# Altium PCB PCB1.PcbDoc (continued)
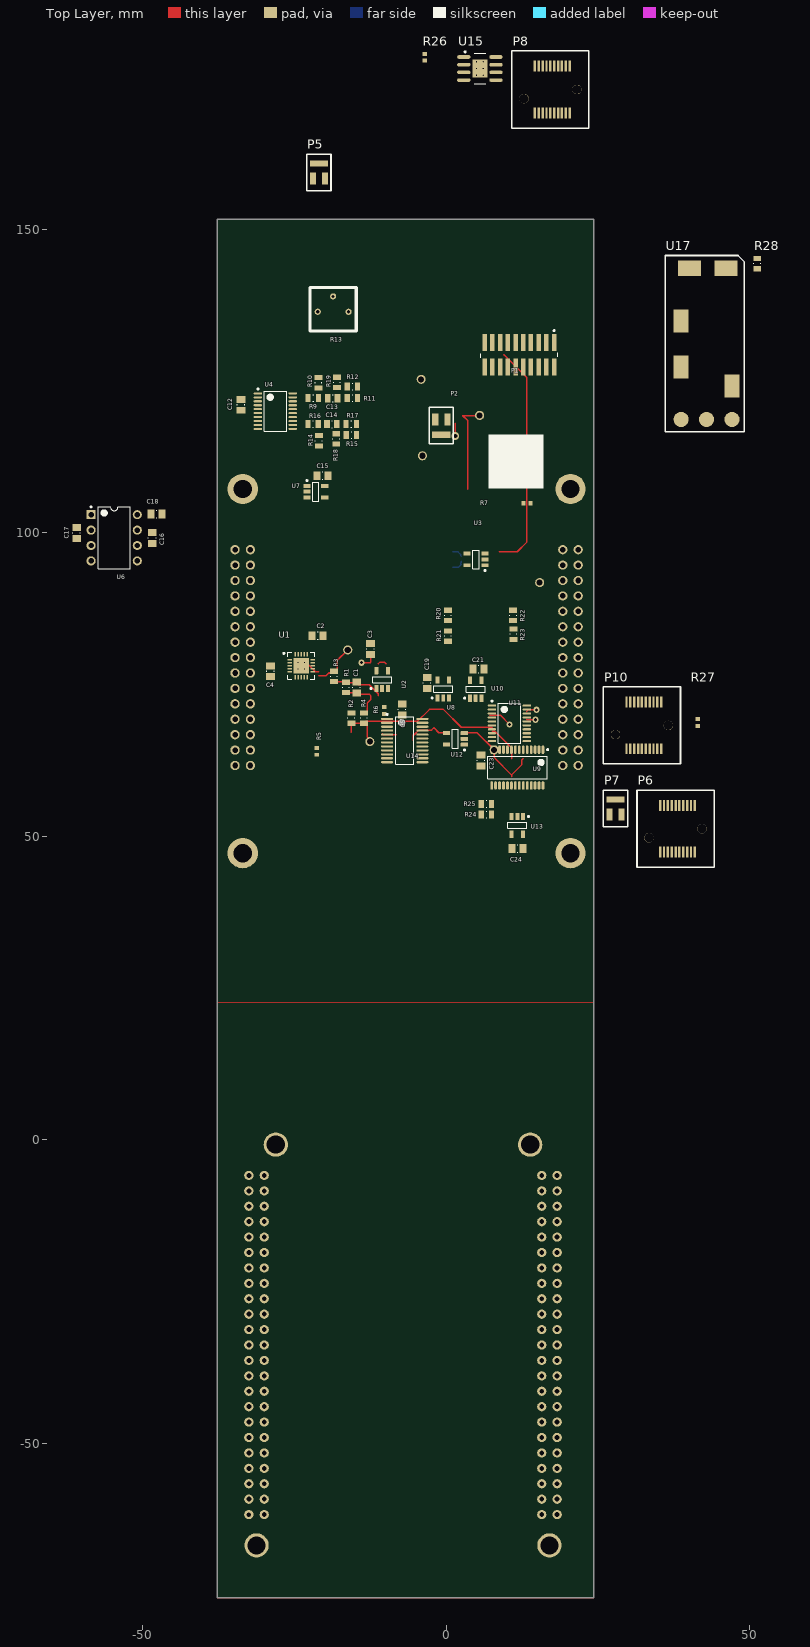
[diagram p0: Top Layer view]
## Footprints (in the part's own frame and the unit in brackets; to place one, negate y for a bottom-side part, rotate by r counter-clockwise, add the part's x,y. Pads: shape width x height; smd on the part's side, far side on the other; paste and mask are expansions set on the pad)
ADI-CP-20-10_L [mm] "QFN, 20-Leads, Body 4x4mm, Pitch 0.5mm, Thermal Pad 2.6x2.6mm, IPC High Density"
  oval 0.8x0.25 smd: 1(-1.9,1) 2(-1.9,0.5) 3(-1.9,0) 4(-1.9,-0.5) 5(-1.9,-1) 11(1.9,-1) 12(1.9,-0.5) 13(1.9,0) 14(1.9,0.5) 15(1.9,1)
  oval 0.25x0.8 smd: 6(-1,-1.9) 7(-0.5,-1.9) 8(0,-1.9) 9(0.5,-1.9) 10(1,-1.9) 16(1,1.9) 17(0.5,1.9) 18(0,1.9) 19(-0.5,1.9) 20(-1,1.9)
  rect 2.6x2.6 smd: 21(0,0)
  silkscreen extent -2.97,-2.2 2.2,2.2, body extent -2.05,-2.05 2.05,2.05, height 0.8
ADI-N-8 [mm] "DIP, 8-Leads, Body 9.59x6.6mm, Pitch 2.54mm"
  rect 1.5x1.5 hole 0.9: 1(-3.81,3.81)
  round 1.5 hole 0.9: 2(-3.81,1.27) 3(-3.81,-1.27) 4(-3.81,-3.81) 5(3.81,-3.81) 6(3.81,-1.27) 7(3.81,1.27) 8(3.81,3.81)
  silkscreen extent -3.93,-5.1 2.65,5.23, body extent -3.95,-5.07 3.95,5.07, height 5.33
ADS1262 [mm] "28 TSSOP"
  oval 1.4x0.45 smd: 1(-2.95,4.225) 2(-2.95,3.575) 3(-2.95,2.925) 4(-2.95,2.275) 5(-2.95,1.625) 6(-2.95,0.975) 7(-2.95,0.325) 8(-2.95,-0.325) 9(-2.95,-0.975) 10(-2.95,-1.625) 11(-2.95,-2.275) 12(-2.95,-2.925) 13(-2.95,-3.575) 14(-2.95,-4.225) 15(2.95,-4.225) 16(2.95,-3.575) 17(2.95,-2.925) 18(2.95,-2.275) 19(2.95,-1.625) 20(2.95,-0.975) 21(2.95,-0.325) 22(2.95,0.325) 23(2.95,0.975) 24(2.95,1.625) 25(2.95,2.275) 26(2.95,2.925) 27(2.95,3.575) 28(2.95,4.225)
  silkscreen extent -3.07,-4.9 1.85,5.13, body extent -3.2,-4.9 3.2,4.9, height 1.2
"Beaglebone Black Thru" [mil]
  round 60 hole 31.5: 8-1(-900,1100) 8-3(-900,1000) 8-4(-1000,1000) 8-5(-900,900) 8-6(-1000,900) 8-7(-900,800) 8-8(-1000,800) 8-9(-900,700) 8-10(-1000,700) 8-11(-900,600) 8-12(-1000,600) 8-13(-900,500) 8-14(-1000,500) 8-15(-900,400) 8-16(-1000,400) 8-17(-900,300) 8-18(-1000,300) 8-19(-900,200) 8-20(-1000,200) 8-21(-900,100) 8-22(-1000,100) 8-23(-900,0) 8-24(-1000,0) 8-25(-900,-100) 8-26(-1000,-100) 8-27(-900,-200) 8-28(-1000,-200) 8-29(-900,-300) 8-30(-1000,-300) 8-31(-900,-400) 8-32(-1000,-400) 8-33(-900,-500) 8-34(-1000,-500) 8-35(-900,-600) 8-36(-1000,-600) 8-37(-900,-700) 8-38(-1000,-700) 8-39(-900,-800) 8-40(-1000,-800) 8-41(-900,-900) 8-42(-1000,-900) 8-43(-900,-1000) 8-44(-1000,-1000) 8-45(-900,-1100) 8-46(-1000,-1100) 9-1(1000,1100) 9-2(900,1100) 9-3(1000,1000) 9-4(900,1000) 9-5(1000,900) 9-6(900,900) 9-7(1000,800) 9-8(900,800) 9-9(1000,700) 9-10(900,700) 9-11(1000,600) 9-12(900,600) 9-13(1000,500) 9-14(900,500) 9-15(1000,400) 9-16(900,400) 9-17(1000,300) 9-18(900,300) 9-19(1000,200) 9-20(900,200) 9-21(1000,100) 9-22(900,100) 9-23(1000,0) 9-24(900,0) 9-25(1000,-100) 9-26(900,-100) 9-27(1000,-200) 9-28(900,-200) 9-29(1000,-300) 9-30(900,-300) 9-31(1000,-400) 9-32(900,-400) 9-33(1000,-500) 9-34(900,-500) 9-35(1000,-600) 9-36(900,-600) 9-37(1000,-700) 9-38(900,-700) 9-39(1000,-800) 9-40(900,-800) 9-41(1000,-900) 9-42(900,-900) 9-43(1000,-1000) 9-44(900,-1000) 9-45(1000,-1100) 9-46(900,-1100)
  round 60 hole 30 paste+0: 8-2(-1000,1100)
  round 157.48 hole 118.11 paste+0: ""(-950,1300)
  round 157.48 hole 118.11: ""(-825,-1300) ""(825,-1300) ""(950,1300)
  body extent -1047,-1163 1048,1160, height 315
CAPC0805(2012)145_N [mm] "Chip Capacitor, Body 2.0x1.2mm, Height 1.45mm, IPC Medium Density"
  rect 1.15x1.45 smd: 1(-0.9,0) 2(0.9,0)
  silkscreen extent -0.05,-0.62 0.05,0.63, body extent -1.1,-0.72 1.1,0.73, height 1.45
CAPC0805(2012)155_L [mm] "Chip Capacitor, Body 2.0x1.2mm, Height 1.55mm, IPC High Density"
  rect 0.95x1.35 smd: 1(-0.8,0) 2(0.8,0)
  silkscreen extent -0.05,-0.58 0.05,0.57, body extent -1.1,-0.72 1.1,0.72, height 1.55
CAPC1210(3225)170_L [mm] "Chip Capacitor, Body 3.2x2.5mm, Height 1.7mm, IPC High Density"
  rect 0.95x2.6 smd: 1(-1.4,0) 2(1.4,0)
  silkscreen extent -0.55,-1.2 0.55,1.2, body extent -1.7,-1.35 1.7,1.35, height 1.7
DBV0005A_M [mm] "SOT23, 5-Leads, Body 3.05x1.75mm, Pitch 0.95mm, IPC Low Density"
  rrect15% 1.2x0.65 smd: 1(-1.475,0.95) 2(-1.475,0) 3(-1.475,-0.95) 4(1.475,-0.95) 5(1.475,0.95)
  silkscreen extent -1.6,-1.55 0.5,1.95, body extent -1.42,-1.46 1.42,1.46, height 1.08
IND065BHV [mm] "DC DC CONVERTER 32-54V 65W"
  rect 3.78x2.51 all layers, no hole: 1(8.65,8.38) 2(16.24,8.38) 7(5.47,0)
  rect 2.51x3.78 all layers, no hole: 3(24.89,7) 4(24.89,1)
  round 2.51 all layers, no hole: 8(0,0) 9(0,4.19) 10(0,8.38)
  silkscreen extent -2,-2 27,11
KSTN-5003 [mm] "Test Point, Through Hole, Dia 2.54mm"
  round 1.5 hole 1: 1(0,0)
  silkscreen extent -1.27,-1.27 1.27,1.27, body extent -1.27,-1.27 1.27,1.27, height 4.57
MEC6-110-02-L-DV [mm] "Edge Connector Socket"
  rect 0.399x1.781 smd: A1(-2.54,3.85) A2(-1.905,3.85) A3(-1.27,3.85) A4(-0.635,3.85) A5(0,3.85) A6(0.635,3.85) A7(1.27,3.85) A8(1.905,3.85) A9(2.54,3.85) A10(3.175,3.85) B1(-2.54,-3.85) B2(-1.905,-3.85) B3(-1.27,-3.85) B4(-0.635,-3.85) B5(0,-3.85) B6(0.635,-3.85) B7(1.27,-3.85) B8(1.905,-3.85) B9(2.54,-3.85) B10(3.175,-3.85)
  round 1.55 hole 1.55: ""(-4.356,-1.5) ""(4.356,0)
  silkscreen extent -6.35,-6.35 6.35,6.35, body extent -5.2,-4.39 5.92,4.41, height 8.5
RESC0402(1005)_M [mm] "Chip Resistor, Body 1.0x0.5mm, IPC Low Density"
  rect 0.65x0.75 smd: 1(-0.55,0) 2(0.55,0)
  body extent -0.52,-0.28 0.53,0.28, height 0.4
RESC0805(2012)_L [mm] "Chip Resistor, Body 2.0x1.3mm, IPC High Density"
  rect 0.85x1.3 smd: 1(-0.85,0) 2(0.85,0)
  silkscreen extent -0.05,-0.55 0.05,0.55, body extent -1.1,-0.67 1.1,0.68, height 0.7
SMTC-FTSH-110-01-L-DV_V [mm] "CONN, 20-Leads, Body 12.7x3.43mm, Pitch 1.27mm"
  rect 0.74x2.79 smd: 1(-5.715,-2.035) 2(-5.715,2.035) 3(-4.445,-2.035) 4(-4.445,2.035) 5(-3.175,-2.035) 6(-3.175,2.035) 7(-1.905,-2.035) 8(-1.905,2.035) 9(-0.635,-2.035) 10(-0.635,2.035) 11(0.635,-2.035) 12(0.635,2.035) 13(1.905,-2.035) 14(1.905,2.035) 15(3.175,-2.035) 16(3.175,2.035) 17(4.445,-2.035) 18(4.445,2.035) 19(5.715,-2.035) 20(5.715,2.035)
  silkscreen extent -6.35,-4.1 6.35,0.47, body extent -6.35,-2.92 6.35,2.92, height 5.97
TI-DDA8-2745X2245TP_N [mm] "SOP, 8-Leads, Body 4.9x3.9mm, Pitch 1.27mm, Thermal Pad 2.745x2.245mm, IPC Medium Density"
  oval 2.2x0.6 smd: 1(-2.645,1.905) 2(-2.645,0.635) 3(-2.645,-0.635) 4(-2.645,-1.905) 5(2.645,-1.905) 6(2.645,-0.635) 7(2.645,0.635) 8(2.645,1.905)
  rect 2.49x3 smd: 9(0,0)
  silkscreen extent -2.55,-2.5 0.93,2.88, body extent -2,-2.5 2,2.5, height 1.7
TI-PW24_M [mm] "SOP, 24-Leads, Body 7.8x4.4mm, Pitch 0.65mm, IPC Low Density"
  oval 2x0.35 smd: 1(-2.9,3.575) 2(-2.9,2.925) 3(-2.9,2.275) 4(-2.9,1.625) 5(-2.9,0.975) 6(-2.9,0.325) 7(-2.9,-0.325) 8(-2.9,-0.975) 9(-2.9,-1.625) 10(-2.9,-2.275) 11(-2.9,-2.925) 12(-2.9,-3.575) 13(2.9,-3.575) 14(2.9,-2.925) 15(2.9,-2.275) 16(2.9,-1.625) 17(2.9,-0.975) 18(2.9,-0.325) 19(2.9,0.325) 20(2.9,0.975) 21(2.9,1.625) 22(2.9,2.275) 23(2.9,2.925) 24(2.9,3.575)
  silkscreen extent -3.02,-3.95 1.5,4.42, body extent -2.25,-3.95 2.25,3.95, height 1.2
Triax_Conn [mm] "Triaxial pads for Conning Tower"
  rect 1x2 smd: 1(0,0) 2(2,0)
  rect 3x1 smd: 3(1,2.5)
  silkscreen extent -1,-2 3,4
"TRIMMER 2.54" [mil]
  round 40 hole 20: 1(0,0) 2(100,100) 3(200,0)
  silkscreen extent -50,-125 250,158, body extent -60,-126 260,200, height 175
TSOP65P640X90-20N [mm] "TSOP, 20-Leads, Body 6.50x4.40mm, Pitch 0.65mm, IPC Medium Density"
  oval 1.4x0.35 smd: 1(-2.875,2.925) 2(-2.875,2.275) 3(-2.875,1.625) 4(-2.875,0.975) 5(-2.875,0.325) 6(-2.875,-0.325) 7(-2.875,-0.975) 8(-2.875,-1.625) 9(-2.875,-2.275) 10(-2.875,-2.925) 11(2.875,-2.925) 12(2.875,-2.275) 13(2.875,-1.625) 14(2.875,-0.975) 15(2.875,-0.325) 16(2.875,0.325) 17(2.875,0.975) 18(2.875,1.625) 19(2.875,2.275) 20(2.875,2.925)
  silkscreen extent -3,-3.3 1.85,3.77, body extent -2.25,-3.3 2.25,3.3, height 0.9
TSW-115-14-G-D [mil]
  round 60 hole 36.02: 1(-1400,100) 2(-1400,0) 3(-1300,100) 4(-1300,0) 5(-1200,100) 6(-1200,0) 7(-1100,100) 8(-1100,0) 9(-1000,100) 10(-1000,0) 11(-900,100) 12(-900,0) 13(-800,100) 14(-800,0) 15(-700,100) 16(-700,0) 17(-600,100) 18(-600,0) 19(-500,100) 20(-500,0) 21(-400,100) 22(-400,0) 23(-300,100) 24(-300,0) 25(-200,100) 26(-200,0) 27(-100,100) 28(-100,0) 29(0,100) 30(0,0)
  body extent -1450,-50 50,150, height 118

## Part data
C1 C2 C3 C4 C5 C11 C12 C15 C16 C17 C19 C21 C22 C23 C24: library part CMP-1036-04795-1, Capacitance=0.1µF, Manufacturer="Murata Electronics North America", Manufacturer Part Number=GRM21BR71E104KA01L, Operating Temperature="-55°C ~ 125°C", Package / Case="0805 (2012 Metric)", Ratings=-, Supplier Part Number 1=490-1673-6-ND, Temperature Coefficient=X7R, Tolerance=±10%, Voltage - Rated=25V, Applications="General Purpose", Category=Capacitors, ComponentLink1Description=http://www.murata.com/~/media/webrenewal/support/library/catalog/products/capacitor/mlcc/c02e.ashx, ComponentLink1URL=http://www.murata.com/~/media/webrenewal/support/library/catalog/products/capacitor/mlcc/c02e.ashx, Features=-, Height - Seated (Max)=-, Lead Spacing=-, Lead Style=-, Mounting Type="Surface Mount, MLCC", Packaging=Digi-Reel®, Part Status=Active, Pricing 1="1=0.2, 10=0.145, 100=0.0683, 500=0.04788, 1000=0.03964 (USD)", RoHS="RoHS Compliant", Size / Dimension="0.079\" L x 0.049\" W (2.00mm x 1.25mm)", Stock 1=891652, Supplier 1=Digi-Key, Thickness (Max)="0.053\" (1.35mm)"
C8 C10: library part CMP-1036-04795-1, "CAP CER 0.1UF 25V X7R 0805"
C9: library part CMP-1038-00473-1, "CAP 4.7uF 100V ±2% 1210 (3225 Metric) Thickness 1.7mm SMD", Case-EIA=1210, Case-Metric=3225, Rated Voltage="100 V", Tolerance=±2%, Max Thickness="1.7 mm", Technology=SMT
C13 C14: library part CMP-1036-04882-1, Capacitance=220pF, Manufacturer="Murata Electronics North America", Manufacturer Part Number=GRM21BR71E105KA99L, Operating Temperature="-55°C ~ 125°C", Package / Case="0805 (2012 Metric)", Ratings=-, Supplier Part Number 1=490-6484-6-ND, Temperature Coefficient=X7R, Tolerance=±10%, Voltage - Rated=25V, Applications="General Purpose", Category=Capacitors, ComponentLink1Description=http://www.murata.com/~/media/webrenewal/support/library/catalog/products/capacitor/mlcc/c02e.ashx, ComponentLink1URL=http://www.murata.com/~/media/webrenewal/support/library/catalog/products/capacitor/mlcc/c02e.ashx, Features=-, Height - Seated (Max)=-, Lead Spacing=-, Lead Style=-, Mounting Type="Surface Mount, MLCC", Packaging=Digi-Reel®, Part Status=Active, Pricing 1="1=0.14, 10=0.099, 100=0.0468, 500=0.0328, 1000=0.02715 (USD)", RoHS="RoHS Compliant", Size / Dimension="0.079\" L x 0.049\" W (2.00mm x 1.25mm)", Stock 1=295074, Supplier 1=Digi-Key, Thickness (Max)="0.053\" (1.35mm)"
C18: library part CMP-1036-04795-1, Capacitance=10nF, Case/Package=0805, Case Code (Metric)=2012, Dielectric=X7R, Dielectric Material=Ceramic, Manufacturer=Kemet, Manufacturer Part Number=C0805C103K5RACAUTO, Max Operating Temperature=125°C, Min Operating Temperature=-55°C, Package Quantity=1, Supplier Part Number 1=399-6924-1-ND, Tolerance=10%, Voltage Rating=50V, Case Code (Imperial)=0805, ComponentLink1Description=https://datasheet.ciiva.com/22700/1693454-22700519.pdf, ComponentLink1URL=https://datasheet.ciiva.com/22700/1693454-22700519.pdf, ComponentLink2Description=https://datasheet.ciiva.com/7842/1693454-7842175.pdf, ComponentLink2URL=https://datasheet.ciiva.com/7842/1693454-7842175.pdf, Contact Plating=Tin, Depth=1.25mm, Height=0.78mm, Length=2mm, Mount="Surface Mount", Packaging="Tape and Reel", Pricing 1="1=0.12, 10=0.087, 100=0.041, 500=0.0287, 1000=0.0238 (USD)", Radiation Hardening=No, REACH SVHC="No SVHC", Stock 1=63236, Supplier 1=Digi-Key, Termination=SMD/SMT, Thickness=0.035inch, Voltage Rating (DC)=50V, Width=0.049inch
P1: library part CMP-2000-06294-2, "Male Header, Pitch 1.27 mm, 2 x 10 Position, Height 6.1 mm, -55 to 125 degC, RoHS, Tube", Color=Black, Manufacturer=Samtec, Package Description="Male Header, Pitch 1.27 mm, 2 x 10 Position, Height 6.1 mm", Standard Package=1, Catalog Drawings=FTSHSeriesFTSHSeriesSMTSide, Category=Connectors,Interconnects, Connector Type=Header,Unshrouded, Contact Finish=Gold, Contact Finish Thickness=10µin(0.25µm), Contact Type=MalePin, Datasheet URL=http://suddendocs.samtec.com/catalog_english/ftsh_smt.pdf, Datasheet Version="F-215 , 02/2016", EDA / CAD Models=DownloadfromAcceleratedDesigns, Family=RectangularConnectors-Headers,MalePins, Fastening Type=-, Featured Product=Board-To-BoardInterconnectSystems, Features=-, Manufacturer URL=http://www.samtec.com/, Mounting Technology=SurfaceMount, Mounting Type=SurfaceMount, Number of Positions=20, Number of Positions Loaded=All, Number of Rows=2, Online Catalog=FTSHSeries, Other Names=SAM1161-10, Package Reference=FTSH-110-01-L-DV, Package URL=http://suddendocs.samtec.com/prints/ftsh-1xx-xx-xxx-dv-xxx-xxx-mkt.pdf, Packaging=Bulk, Product Training Modules=Board-to-BoardConnectors, Series=FTSH, Termination=Solder
P3 P4: library part "Header 15X2", "Header, 15-Pin, Dual row", Current Rating=-, Insulation Color=Black, Manufacturer="Samtec Inc.", Material Flammability Rating="UL94 V-0", Operating Temperature="-55°C ~ 125°C", Supplier Part Number 1=SAM1052-15-ND, Applications=-, Category="Connectors, Interconnects", ComponentLink1Description=http://suddendocs.samtec.com/prints/tsw-xxx-xx-xxx-x-xx-xxx-mkt.pdf, ComponentLink1URL=http://suddendocs.samtec.com/prints/tsw-xxx-xx-xxx-x-xx-xxx-mkt.pdf, Connector Type=Header, Contact Finish - Mating=Gold, Contact Finish - Post=Gold, Contact Finish Thickness - Mating="10.0µin (0.25µm)", Contact Finish Thickness - Post="3.00µin (0.076µm)", Contact Length - Mating="0.320\" (8.13mm)", Contact Length - Post="0.110\" (2.79mm)", Contact Material="Phosphor Bronze", Contact Shape=Square, Contact Type="Male Pin", Fastening Type=Push-Pull, Features=-, Ingress Protection=-, Insulation Height="0.100\" (2.54mm)", Insulation Material="Polybutylene Terephthalate (PBT)", Manufacturer Part Number=TSW-115-14-G-D, Mated Stacking Heights=-, Mounting Type="Through Hole", Number of Positions=30, Number of Positions Loaded=All, Number of Rows=2, Overall Contact Length="0.530\" (13.46mm)", Packaging=Bulk, Part Status=Active, Pitch - Mating="0.100\" (2.54mm)", Pricing 1="1=3.69, 10=3.3, 100=2.7176, 500=2.1482, 1000=1.84409, 5000=1.68233, 10000=1.61763 (USD)", RoHS="RoHS Compliant", Row Spacing - Mating="0.100\" (2.54mm)", Shrouding=Unshrouded, Stock 1=0, Style="Board to Board or Cable", Supplier 1=Digi-Key, Termination=Solder, Voltage Rating=-
R1 R2 R3 R4 R11 R12 R15 R17: library part CMP-1013-00215-1, "RES SMD 0 OHM JUMPER 1/8W 0805", Manufacturer="Panasonic Electronic Components", Manufacturer Part Number=ERJ-6GEY0R00V, Operating Temperature="-55°C ~ 155°C", Package / Case="0805 (2012 Metric)", Power (Watts)="0.125W, 1/8W", Supplier Device Package=0805, Supplier Part Number 1=P0.0ACT-ND, Temperature Coefficient=-, Tolerance=Jumper, Category=Resistors, ComponentLink1Description=http://industrial.panasonic.com/www-cgi/jvcr13pz.cgi?E+PZ+3+AOA0001+ERJ6GEY0R00V+7+WW, ComponentLink1URL=http://industrial.panasonic.com/www-cgi/jvcr13pz.cgi?E+PZ+3+AOA0001+ERJ6GEY0R00V+7+WW, Composition="Thick Film", Failure Rate=-, Features="Automotive AEC-Q200", Height - Seated (Max)="0.028\" (0.70mm)", Packaging="Cut Tape (CT)", Part Status=Active, Pricing 1="1=0.1, 10=0.074, 25=0.0532, 50=0.0406, 100=0.03, 250=0.02288, 500=0.0183, 1000=0.01347 (USD)", RoHS="RoHS Compliant", Size / Dimension="0.079\" L x 0.049\" W (2.00mm x 1.25mm)", Stock 1=3414819, Supplier 1=Digi-Key
R5 R6: library part CMP-1011-00651-1
R7 R8 R26 R27: library part CMP-1011-00463-1
R9 R16: library part CMP-1013-00215-1, "RES SMD 4.02K OHM 1% 1/8W 0805", Manufacturer="Vishay Dale", Manufacturer Part Number=CRCW08054K02FKEAHP, Operating Temperature="-55°C ~ 155°C", Package / Case="0805 (2012 Metric)", Power (Watts)="0.5W, 1/2W", Supplier Device Package=0805, Supplier Part Number 1=541-4.02KTCT-ND, Temperature Coefficient=±100ppm/°C, Tolerance=±1%, Category=Resistors, ComponentLink1Description=http://www.vishay.com/docs/20043/crcwhpe3.pdf, ComponentLink1URL=http://www.vishay.com/docs/20043/crcwhpe3.pdf, Composition="Thick Film", Failure Rate=-, Features="Automotive AEC-Q200, Pulse Withstanding", Height - Seated (Max)="0.020\" (0.50mm)", Packaging="Cut Tape (CT)", Part Status=Active, Pricing 1="1=0.28, 10=0.233, 100=0.0911, 1000=0.03812, 2500=0.03494 (USD)", RoHS="RoHS Compliant", Size / Dimension="0.079\" L x 0.049\" W (2.00mm x 1.25mm)", Stock 1=2935, Supplier 1=Digi-Key
R10 R14: library part CMP-1013-00215-1, "RES SMD 7.5K OHM 1% 1/8W 0805", Manufacturer="Vishay Dale", Manufacturer Part Number=CRCW08057K50FKEA, Operating Temperature="-55°C ~ 155°C", Package / Case="0805 (2012 Metric)", Power (Watts)="0.125W, 1/8W", Supplier Device Package=0805, Supplier Part Number 1=541-7.50KCCT-ND, Temperature Coefficient=±100ppm/°C, Tolerance=±1%, Category=Resistors, ComponentLink1Description=http://www.vishay.com/docs/20035/dcrcwe3.pdf, ComponentLink1URL=http://www.vishay.com/docs/20035/dcrcwe3.pdf, Composition="Thick Film", Failure Rate=-, Features="Automotive AEC-Q200", Height - Seated (Max)="0.020\" (0.50mm)", Packaging="Cut Tape (CT)", Part Status=Active, Pricing 1="1=0.1, 10=0.055, 100=0.0223, 1000=0.01003, 2500=0.0087 (USD)", RoHS="RoHS Compliant", Size / Dimension="0.079\" L x 0.049\" W (2.00mm x 1.25mm)", Stock 1=2093, Supplier 1=Digi-Key
R13: library part Trimmer, Manufacturer="Vishay Foil Resistors (Division of Vishay Precision Group)", Manufacturer Part Number=Y00535K00000J0L, Power (Watts)="0.25W, 1/4W", Resistance (Ohms)=5k, Resistive Material="Metal Foil", Supplier Part Number 1=804-1020-ND, Temperature Coefficient=±10ppm/°C, Tolerance=±5%, Adjustment Type="Side Adjustment", Category="Potentiometers, Variable Resistors", ComponentLink1Description=http://www.vishaypg.com/docs/63053/1240.pdf, ComponentLink1URL=http://www.vishaypg.com/docs/63053/1240.pdf, Mounting Type="Through Hole", Number of Turns=21, Packaging=Bulk, Part Status=Active, Pricing 1="1=34.42, 10=32.265, 25=26.5292, 50=22.944, 100=22.227, 250=20.793, 500=19.2156 (USD)", RoHS="RoHS Compliant", Size / Dimension="Rectangular - 0.250\" x 0.175\" Face x 0.250\" L (6.35mm x 4.45mm x 6.35mm)", Stock 1=679, Supplier 1=Digi-Key, Termination Style="PC Pins"
R18 R19: library part CMP-1013-00215-1, "RES SMD 1M OHM 1% 1/8W 0805", Manufacturer="Vishay Dale", Manufacturer Part Number=RCV08051M00FKEA, Operating Temperature="-55°C ~ 155°C", Package / Case="0805 (2012 Metric)", Power (Watts)="0.125W, 1/8W", Supplier Device Package=0805, Supplier Part Number 1=BC2810CT-ND, Temperature Coefficient=±100ppm/°C, Tolerance=±1%, Category=Resistors, ComponentLink1Description=http://www.vishay.com/docs/20054/rcve3.pdf, ComponentLink1URL=http://www.vishay.com/docs/20054/rcve3.pdf, Composition="Thick Film", Failure Rate=-, Features="High Voltage", Height - Seated (Max)="0.020\" (0.50mm)", Packaging="Cut Tape (CT)", Part Status=Active, Pricing 1="1=0.31, 10=0.266, 100=0.1041, 1000=0.04356, 2500=0.03993 (USD)", RoHS="RoHS Compliant", Size / Dimension="0.079\" L x 0.049\" W (2.00mm x 1.25mm)", Stock 1=15942, Supplier 1=Digi-Key
R20 R22: library part CMP-1013-00215-1, "RES SMD 100K OHM 1% 1/8W 0805", Manufacturer="Vishay Dale", Manufacturer Part Number=RCA0805100KFKEA, Operating Temperature="-55°C ~ 155°C", Package / Case="0805 (2012 Metric)", Power (Watts)="0.125W, 1/8W", Supplier Device Package=0805, Supplier Part Number 1=541-2230-1-ND, Temperature Coefficient=±100ppm/°C, Tolerance=±1%, Category=Resistors, ComponentLink1Description=http://www.vishay.com/docs/20037/rcae3.pdf, ComponentLink1URL=http://www.vishay.com/docs/20037/rcae3.pdf, Composition="Thick Film", Failure Rate=-, Features="Anti-Sulfur, Automotive AEC-Q200", Height - Seated (Max)="0.020\" (0.50mm)", Packaging="Cut Tape (CT)", Part Status=Active, Pricing 1="1=0.1, 10=0.079, 100=0.0303, 1000=0.01331, 2500=0.0115 (USD)", RoHS="RoHS Compliant", Size / Dimension="0.079\" L x 0.049\" W (2.01mm x 1.25mm)", Stock 1=18704, Supplier 1=Digi-Key
R21 R23 R24 R25: library part CMP-1013-00215-1, "RES SMD 10K OHM 1% 1/8W 0805", Manufacturer="Vishay Dale", Manufacturer Part Number=CRCW080510K0FKEA, Operating Temperature="-55°C ~ 155°C", Package / Case="0805 (2012 Metric)", Power (Watts)="0.125W, 1/8W", Supplier Device Package=0805, Supplier Part Number 1=541-10.0KCCT-ND, Temperature Coefficient=±100ppm/°C, Tolerance=±1%, Category=Resistors, ComponentLink1Description=http://www.vishay.com/docs/20035/dcrcwe3.pdf, ComponentLink1URL=http://www.vishay.com/docs/20035/dcrcwe3.pdf, Composition="Thick Film", Failure Rate=-, Features="Automotive AEC-Q200", Height - Seated (Max)="0.020\" (0.50mm)", Packaging="Cut Tape (CT)", Part Status=Active, Pricing 1="1=0.1, 10=0.055, 100=0.0223, 1000=0.01003, 2500=0.0087 (USD)", RoHS="RoHS Compliant", Size / Dimension="0.079\" L x 0.049\" W (2.00mm x 1.25mm)", Stock 1=1104982, Supplier 1=Digi-Key
R28: library part CMP-1013-00215-1, "RES SMD 56.2K OHM JUMPER 1/8W 0805"
TP1 TP2 TP3 TP9 TP10 TP11 TP12: library part CMP-1672-00009-1, "Test Point, Orange, 1-Pin THD, RoHS", Forward Current="3 A", Forward Voltage="1.08 V", Max Operating Temperature="150 degC", Max Surge Current="80 A", Min Operating Temperature="-65 degC", Package Quantity=500, Peak Reverse Current="600 uA", ComponentLink1Description="Manufacturer URL", ComponentLink1URL=http://www.keyelco.com/, ComponentLink2Description=Datasheet, ComponentLink2URL=http://keyelco.com/userAssets/file/M65p56.pdf, DatasheetVersion=Jun-15, Diameter="5.3 mm", Height="0.25 inch", Length="9.5 mm", Mount="Through Hole", PackageDescription="1-Pin Through Hole Device, Dia 2.54 mm", PackageReference=5003, Packaging=Bulk, Pins=2, Radiation Hardening=No, REACH SVHC="No SVHC", RoHSCompliant=true, Weight="0.01 lb", Width="0.25 inch"
U1: library part CMP-0293-00002-1, "11 mW Power, 2.3 V to 5.5 V,Complete DDS, CP-20-10, 1500 Reel, Pb-Free", Code_JEDEC=MO-220-WGGD, Compliance Range (V)=800mV, ComponentLink1Description="Manufacturer URL", ComponentLink1URL=www.analog.com, ComponentLink2Description=Datasheet, ComponentLink2URL=http://www.analog.com/static/imported-files/data_sheets/AD9838.pdf, ComponentLink3Description="Package Specification", ComponentLink3URL=http://www.analog.com/static/imported-files/packages/PKG_PDF/LFCSP(CP)/CP_20_10.pdf, DatasheetVersion="Rev. A", FS Iout (mA nom)=3mA, I/O Interface=Serial, Master fclk=16MHz, PackageDescription="20-Lead Lead Frame Chip Scale Package [LFCSP_WQ]", PackageReference=CP-20-10, PackageVersion=061609-B, REFCLK Multiplier=Yes, Resolution (Bits)=10bit, Tuning Word Width (bits)=28bit
U2 U3 U7 U8 U10 U12 U13: library part CMP-0809-00005-2, "Precision, Low Noise, Rail-to-Rail Output, Zero-Drift Operational Amplifier, 4 to 36 V, -40 to 125 degC, 5-pin SOT23 (DBV5), Green (RoHS & no Sb/Br)", Manufacturer="Texas Instruments", Rating=Catalog, Total Supply Voltage(Max)(+5V is 5, +/-5V is 10)=36, Total Supply Voltage(Min)(+5V is 5, +/-5V is 10)=4, CMRR(Min)(dB)=120, Code_JEDEC=MO-178, ComponentLink1Description="Manufacturer URL", ComponentLink1URL=http://www.ti.com/, ComponentLink2Description=Datasheet, ComponentLink2URL=http://www.ti.com/lit/ds/symlink/opa188.pdf, ComponentLink3Description="Package Specification", ComponentLink3URL=http://www.ti.com/litv/pdf/mpds018i, DatasheetVersion=SBOS642A, Eco-Plan="Green (RoHS & no Sb/Br)", GBW(Typ)(MHz)=2, Iq per channel(Max)(mA)=0.51, Mounting Technology="Surface Mount", Number of Channels=1, Offset Drift(Typ)(uV/C)=0.03, PackageDescription="5-Pin Plastic Small Outline, Body 1.6 x 2.9 mm, Pitch 0.95 mm", PackageReference=DBV0005A, PackageVersion="4073253-4/K, 03/2006", PartNumber=OPA188AIDBVR, Slew Rate(Typ)(V/us)=0.8, SubFamily="Zero Drift Precision Amplifier"
U4: library part MAX333CWP+, "IC SWITCH QUAD SPDT 20TSSOP", Base Part Number=MAX333, Channel Capacitance (CS(off), CD(off))=5pF, Current - Leakage (IS(off)) (Max)=250pA, Manufacturer="Maxim Integrated", On-State Resistance (Max)="45 Ohm", Operating Temperature="-40°C ~ 85°C (TA)", Package / Case="20-TSSOP (0.173\", 4.40mm Width)", Supplier Device Package=20-TSSOP, Supplier Part Number 1=MAX333AEUP+-ND, Voltage - Supply, Dual (V±)="±4.5 V ~ 20 V", Voltage - Supply, Single (V+)="10 V ~ 30 V", -3db Bandwidth=-, Category="Integrated Circuits (ICs)", Channel-to-Channel Matching (&Delta;Ron)="2 Ohm (Max)", Charge Injection=2pC, ComponentLink1Description=https://pdfserv.maximintegrated.com/en/ds/MAX333A.pdf, ComponentLink1URL=https://pdfserv.maximintegrated.com/en/ds/MAX333A.pdf, Crosstalk="-78dB @ 1MHz", Manufacturer Part Number=MAX333AEUP+, Multiplexer/Demultiplexer Circuit=2:1, Packaging=Tube, Part Status=Active, Pricing 1="1=6.77, 10=6.432, 25=6, 50=5.8942 (USD)", RoHS="RoHS Compliant", Stock 1=1328, Supplier 1=Digi-Key, Switch Circuit=SPDT, Switch Time (Ton, Toff) (Max)="175ns, 145ns"
U5: library part Beaglebone_Black, "Beaglebone Black Header", Current Rating="5.7A per Contact", Insulation Color=Black, Manufacturer="Samtec Inc.", Manufacturer Part Number=SSW-123-03-G-D, Material Flammability Rating="UL94 V-0", Operating Temperature="-55°C ~ 125°C", Supplier Part Number 1=SSW-123-03-G-D-ND, Voltage Rating=-, Applications=-, Category="Connectors, Interconnects", Connector Type=Receptacle, Contact Finish - Mating=Gold, Contact Finish - Post=Gold, Contact Finish Thickness - Mating="20.0µin (0.51µm)", Contact Finish Thickness - Post="3.00µin (0.076µm)", Contact Length - Post="0.394\" (10.00mm)", Contact Material="Phosphor Bronze", Contact Shape=Square, Contact Type=Forked, Fastening Type=Push-Pull, Features=-, Ingress Protection=-, Insulation Height="0.335\" (8.51mm)", Insulation Material="Liquid Crystal Polymer (LCP)", Mated Stacking Heights=-, Mounting Type="Through Hole", Number of Positions=46, Number of Positions Loaded=All, Packaging=Bulk, Part Status=Active, Pitch - Mating="0.100\" (2.54mm)", Pricing 1="1=6.51 (USD)", RoHS="RoHS Compliant", Row Spacing - Mating="0.100\" (2.54mm)", Stock 1=0, Style="Board to Board or Cable", Supplier 1=Digi-Key, Termination=Solder
U6: library part CMP-0784-00054-1, "Pin Programmable, Precision Voltage Reference, + 2.5 / + 5 / + 7.5 / + 10 Prog V Output, 4.5 to 30 V Supply, Commercial, 8-pin DIP (N-8), Tube", Manufacturer="Analog Devices", Operating Temp Range="0 to 70 degC", Code_JEDEC=MS-001, ComponentLink1Description="Manufacturer URL", ComponentLink1URL=http://www.analog.com/en/index.html, ComponentLink2Description=Datasheet, ComponentLink2URL=http://www.analog.com/static/imported-files/data_sheets/AD584.pdf, ComponentLink3Description="Package Specification", ComponentLink3URL=http:/www.analog.com/static/imported-files/packages/PKG_PDF/PDIP(N)/N_8.pdf, ComponentLink4Description="URL Link1", ComponentLink4URL="Product URL:http://www.analog.com/en/special-linear-functions/voltage-references/ad584/products/product.html", DatasheetVersion="Rev. C", Max V Supply (V)=30, Min V Supply (V)=4.5, Mounting Technology="Through Hole", PackageDescription="8-Pin Plastic Dual In-Line Package, Row spacing 7.62 mm, Pitch 2.54 mm", PackageReference=N-8, PackageVersion="070606-A, 07/2006", Packing=Tube, PartNumber=AD584KNZ, Ref Out TC (ppm/C)=15, Vout="2.5V, 5V, 7.5V, 10V"
U9: "32 bit Analog to Digital Converter", Case/Package=TSSOP, Manufacturer="Texas Instruments", Manufacturer Part Number=ADS1262IPW, Max Operating Temperature=125°C, Max Supply Voltage=5.25V, Min Operating Temperature=-40°C, Min Supply Voltage=4.75V, Operating Supply Voltage=5V, Power Consumption=27mW, Contact Plating=Gold, Interface=SPI, Lead Free="Lead Free", Mount="Surface Mount", Number of A/D Converters=1, Number of Bits=32, Number of Inputs=10, Number of Pins=28, Packaging=Rail/Tube, Polarity=Bipolar,Unipolar, Pricing 1="1=18.662, 10=17.123, 100=14.538, 500=12.925 (USD)", REACH SVHC="No SVHC", Resolution=32b, Sampling Rate=38400S/s, Stock 1=86, Supplier 1=Arrow, Supplier Part Number 1=ADS1262IPW, Supply Type=Single
U11: "IC SWITCH QUAD SPDT 20TSSOP", Case/Package=TSSOP, Dual Supply Voltage=15V, Manufacturer=Maxim, Manufacturer Part Number=MAX333AEUP+, Max Dual Supply Voltage=20V, Max Operating Temperature=85°C, Max Power Dissipation=559mW, Max Supply Current=250uA, Max Supply Voltage=30V, Min Dual Supply Voltage=4.5V, Min Operating Temperature=-40°C, Min Supply Voltage=10V, On-State Resistance=35R, Operating Supply Current=1uA, Package Quantity=74, Supplier Part Number 1=700-MAX333AEUP, ComponentLink1Description=https://datasheet.ciiva.com/2978/max333a-2978850.pdf, ComponentLink1URL=https://datasheet.ciiva.com/2978/max333a-2978850.pdf, ComponentLink2Description=https://datasheet.ciiva.com/30478/0900766b81253c85-30478260.pdf, ComponentLink2URL=https://datasheet.ciiva.com/30478/0900766b81253c85-30478260.pdf, ComponentLink3Description=https://datasheet.ciiva.com/1674/max333a-1674617.pdf, ComponentLink3URL=https://datasheet.ciiva.com/1674/max333a-1674617.pdf, ComponentLink4Description=https://datasheet.ciiva.com/26825/max333aeup-26825546.pdf, ComponentLink4URL=https://datasheet.ciiva.com/26825/max333aeup-26825546.pdf, Height=0.95mm, Lead Free="Lead Free", Length=6.6mm, Number of Bits=4, Number of Channels=4, Number of Pins=20, Packaging=Rail/Tube, Pricing 1="1=6.77, 10=6.43, 50=5.8, 100=5.8, 1000=5.62, 10000=5.62 (USD)", Radiation Hardening=No, REACH SVHC=Unknown, Stock 1=664, Supplier 1=Mouser, Supply Type=Single,Dual, Throw Configuration=SPDT, Turn-Off Delay Time=145ns, Turn-On Delay Time=175ns, Weight=0.006737oz, Width=4.5mm
U14: library part CMP-0004-01365-1, "Low Distortion DAC for Seismic Application, -40 to 85 degC, 24-pin SOP (PW24), Green (RoHS & no Sb/Br)", Manufacturer="Texas Instruments", Power Consumption(Typ)(mW)=38, Code_JEDEC=MO-153, ComponentLink1Description="Manufacturer URL", ComponentLink1URL=http://www.ti.com/, ComponentLink2Description=Datasheet, ComponentLink2URL=http://www.ti.com/general/docs/lit/getliterature.tsp?genericPartNumber=DAC1282&fileType=pdf, ComponentLink3Description="Package Specification", ComponentLink3URL=http://www.ti.com/litv/pdf/mpds363, DAC Channels=1, DatasheetVersion=SBAS490A, Eco-Plan="Green (RoHS & no Sb/Br)", Interface="Serial SPI", Mounting Technology="Surface Mount", PackageDescription="24-Pin Plastic Small Outline, Body 7.8 x 4.4 mm, Pitch 0.65 mm", PackageReference=PW24, PackageVersion="4040064-6/G, 02/2011", PartNumber=DAC1282IPW, Settling Time(us)=25, SNR(dB)=120, SubFamily="Precision DAC (=<10MSPS)"
U15: library part CMP-0017-00715-1, "High Voltage (100V), High-Current (50mA) Operational Amplifier, G=1 Stable, 10 to 100 V, -55 to 125 degC, 8-pin SOP (DDA8), Green (RoHS & no Sb/Br)", Manufacturer="Texas Instruments", Rating=Catalog, Total Supply Voltage(Max)(+5V is 5, +/-5V is 10)=100, Total Supply Voltage(Min)(+5V is 5, +/-5V is 10)=10, CMRR(Min)(dB)=100, Code_JEDEC=MS-012, ComponentLink1Description="Manufacturer URL", ComponentLink1URL=http://www.ti.com/, ComponentLink2Description=Datasheet, ComponentLink2URL=http://www.ti.com/lit/ds/symlink/opa454.pdf, ComponentLink3Description="Package Specification", ComponentLink3URL=http://www.ti.com/litv/pdf/mpds092e, DatasheetVersion=SBOS391A, Eco-Plan="Green (RoHS & no Sb/Br)", GBW(Typ)(MHz)=2.5, IIB(Max)(pA)=100, Iq per channel(Max)(mA)=4, Mounting Technology="Surface Mount", Number of Channels=1, Offset Drift(Typ)(uV/C)=1.6, PackageDescription="8-Pin PowerPAD(TM) Plastic Small Outline, Body 3.9 x 4.9 mm, Pitch 1.27 mm", PackageReference=DDA8-2745X2245TP, PackageVersion="4202561/F, 12/2011", PartNumber=OPA454AIDDAG4, Slew Rate(Typ)(V/us)=13, Sub Family="General Purpose Amplifier, High Output Current Amplifier (>=50mA), High Supply Voltage Amplifier (>=30V), Precision Amplifier", Vio (25C)(Max)(mV)=4, Vn at 1kHz(Typ)(nV/rtHz)=47

## Free pads (board coordinates)
  round 5 hole 3: ""(-33.516,47.231) ""(-33.516,107.231) ""(20.484,47.231) ""(20.484,107.231)

## Via types
v1: diameter 0.5, hole 0.2, Top Layer to Bottom Layer, 10 vias
v2: diameter 1, hole 0.5, Top Layer to Bottom Layer, 4 vias
v3: diameter 1.27, hole 0.711, Top Layer to Bottom Layer, 1 vias

## Nets (pads, with @x,y where several pads share a name; then routed paths per layer and width w, separated by ;. In a path a pad name is that pad's centre, name@x,y a point inside that pad or via, vN(x,y) a via of type N, cw(c..) or ccw(c..) an arc to the next point about the centre after c; other vN are vias at no path point)
+3.3: P3.6 P4.25 U5.9-15 U9.19
"+3.3 BBB": U5.9-3 U5.9-4
+5: C19.2 C21.2 C24.2 P1.4 P3.2 P4.22 P6.B2 P8.B2 P10.B2 U8.5 U9.6 U10.5 U13.5
"+5 BBB": P4.1 U5.9-5 U5.9-6
+5R: R24.2 U4.12 U4.17 U7.1 U7.4
+5R_Reduced: U9.24 U13.1 U13.4
+12: C3.2 C4.2 C10.2 C11.1 C15.2 C18.1 P3.14 P4.29 P4.30 U2.5 U3.5 U4.16 U6.8 U7.5 U12.5 U17.3
-5: C12.1 P1.3 P3.18 P4.26 P6.A2 P8.A2 P10.A2 U4.5 U11.5
A0: P1.14 P6.B6 P8.B6 P10.B6
A1: P1.16 P6.B7 P8.B7 P10.B7
AGND: U9.7
"Arrestment Heater FET": U5.8-3
Batt_1_Stat: P3.7
Batt_2_Stat: P3.9
Battery_1: P3.12
Battery_2: P3.16
BBB_PWR_SW: P4.3 U5.9-9
Beam_In: P5.1 P5.2
"Board Heater FET 1": U5.8-7
"Board Heater FET 2": U5.8-8
Bottom_Forcing_Plate: P7.2 R6.1
"Conning Tower FET": U5.8-4
CT_CS0: P1.13 P3.25
DAC_CS0: U14.1
FB_CS0: P4.6 P6.A7 U9.10
FB_MUX_A0: P3.27 U5.8-25
"Gearbox Heater FET": U5.8-6
GND: C5.2 C8.1 C9.1 C10.1 C11.2 C12.2 C15.1 C17.2 C18.2 C19.1 C21.1 C22.2 C23.2 C24.1 P1.1 P1.2 P3.4 P3.23 P3.28 P4.2 P4.19 P4.20 P4.21 P4.23 P4.24 P4.27 P4.28 P6.A5 P6.B1 P8.A5 P8.B1 P10.A5 P10.B1 R7.1 R13.2 R18.1 R19.1 R21.1 R23.1 R25.1 R26.2 TP2.1 U2.2 U3.2 U4.2 U4.6 U4.14 U4.19 U5.8-1 U5.8-2 U5.9-1 U5.9-2 U5.9-43 U5.9-44 U5.9-45 U5.9-46 U6.4 U7.2 U8.2 U9.18 U10.2 U11.6 U11.7 U11.8 U11.9 U11.10 U11.14 U11.19 U12.2 U13.2 U14.16 U15.1 U15.4 U15.9 U17.1 U17.4
  other v1: 5.01,175.402 6.11,175.402 5.01,176.502 6.11,176.502 5.01,177.602 6.11,177.602
Guard: P2.3 P5.3 P7.3
Heartbeat: U5.8-29 U5.9-42
"Meter Heater FET": U5.8-5
"MUX D2": U5.8-16
MUX_D0: U5.8-14
MUX_D1: U5.8-15
NetC13_1: C13.1 R11.2 R12.2 R19.2
NetC13_2: C13.2 R9.1 R10.2
NetC14_1: C14.1 R15.2 R17.2 R18.2
NetC14_2: C14.2 R14.1 R16.2
NetC16_1: C16.1 U6.7
NetC16_2: C16.2 U6.6
NetC17_1: C17.1 U6.1 U6.2 U7.3
NetP3_13: P3.13 U5.8-22
NetR1_2: R1.2 U1.16
NetR2_2: R2.2 U1.17
NetR5_2: R5.2 U11.18
NetR6_2: R6.2 U11.13
NetR8_2: R8.2 R26.1 U15.2
NetR9_2: R9.2 U4.18
NetR10_1: R10.1 R13.1
NetR13_3: R13.3 R14.2
NetR16_1: R16.1 U4.13
NetR20_1: R20.1 R21.2 U8.3
NetR22_1: R22.1 R23.2 U10.3
NetR24_1: R24.1 R25.2 U13.3
NetR27_1: R27.1 U15.5
NetR28_1: R28.1 U17.8
NetR28_2: R28.2 U17.7
NetU5_8-9: U5.8-9
NetU5_8-10: U5.8-10
NetU5_8-11: U5.8-11
NetU5_8-12: U5.8-12
NetU5_8-17: U5.8-17
NetU5_8-18: U5.8-18
NetU5_8-20: U5.8-20
NetU5_8-21: U5.8-21
NetU5_8-26: U5.8-26
NetU5_8-27: U5.8-27
NetU5_8-30: U5.8-30
NetU5_8-35: U5.8-35
NetU5_8-36: U5.8-36
NetU5_8-37: U5.8-37
NetU5_8-38: U5.8-38
NetU9_21: U9.21
NetU12_3: U12.3 U14.21
PLATE_N: R11.1 R15.1 TP9.1 U2.3
PLATE_N_F: P2.2 P6.B3 P8.B3 P8.B4 P10.B3
PLATE_N_S: P1.8 U2.4
PLATE_P: R12.1 R17.1 TP10.1 U3.3
PLATE_P_F: P2.1 P6.A3 P8.A3 P10.A3
PLATE_P_S: P1.7 U3.4
"Power A0": U5.8-42
"Power A1": U5.8-43
"Power A2": U5.8-44
PWM1A: R7.2 U5.9-14 U11.11 U11.20
PWM2A: P3.17 U5.8-19
PWM2B: P3.21 U4.11 U4.20 U5.8-13
PWM2B_DELAY: P6.B9
Serial1_RX: U5.9-26
Serial1_TX: U5.9-24
Serial4_RX: U5.9-11
Serial4_TX: U5.9-13
SINE_CS0: P3.22
SPI0_CS0: U5.9-17
"SPI0_CS0_MUX A2": U5.8-41
SPI0_CS0_MUX_A0: U5.8-39
SPI0_CS0_MUX_A1: U5.8-40
SPI0_MISO: P4.11 P6.A9 U9.12 U14.4
SPI0_MOSI: P1.15 P4.9 P6.A8 P8.A8 P10.A8 U9.13 U14.3
SPI0_SCLK: P4.13 P6.A10 U9.11 U14.2
SPI1_CS0: U5.9-28
SPI1_MISO: U5.9-29
SPI1_MOSI: U5.9-30
SPI1_SCLK: U5.9-31
SPIO_MISO: P8.A9 P10.A9
SPIO_SCLK: P8.A10 P10.A10
Sync_clk: P6.B10
T_MUX_A0: U5.8-31
T_MUX_A1: U5.8-32
T_MUX_A2: U5.8-33
T_MUX_A3: U5.8-34
Top_Forcing_Plate: P7.1 R5.1
ZH: P1.10 P6.B4 R20.2 TP1.1
ZH_CT: R8.1 U11.12 U11.17 U15.6
ZH_PRE_CT: P10.B4
ZH_PRE_CT_F: P10.B9 P10.B10 U15.3
ZH_PRE_F: P8.B9 U12.4
ZH_PRE_S: P8.B10 U12.1
ZH_Reduced: U8.1 U8.4 U9.22
ZP: C8.2 C9.2 P1.9 P4.18 P6.A4 P8.A4 R22.2 TP3.1 U17.2
ZP_CT: C5.1 P10.A4 R27.2 U11.16 U15.7 U15.8
ZP_Reduced: U9.23 U10.1 U10.4
pads on no net: C1.1 C1.2 C2.1 C2.2 C3.1 C4.1 C22.1 C23.1 P1.5 P1.6 P1.11 P1.12 P1.17 P1.18 P1.19 P1.20 P3.1 P3.3 P3.5 P3.8 P3.10 P3.11 P3.15 P3.19 P3.20 P3.24 P3.26 P3.29 P3.30 P4.4 P4.5 P4.7 P4.8 P4.10 P4.12 P4.14 P4.15 P4.16 P4.17 P6. P6.A1 P6.A6 P6.B5 P6.B8 P8. P8.A1 P8.A6 P8.A7 P8.B5 P8.B8 P10. P10.A1 P10.A6 P10.A7 P10.B5 P10.B8 R1.1 R2.1 R3.1 R3.2 R4.1 R4.2 TP11.1 TP12.1 U1.1 U1.2 U1.3 U1.4 U1.5 U1.6 U1.7 U1.8 U1.9 U1.10 U1.11 U1.12 U1.13 U1.14 U1.15 U1.18 U1.19 U1.20 U1.21 U2.1 U3.1 U4.1 U4.3 U4.4 U4.7 U4.8 U4.9 U4.10 U4.15 U5. U5.8-23 U5.8-24 U5.8-28 U5.8-45 U5.8-46 U5.9-7 U5.9-8 U5.9-10 U5.9-12 U5.9-16 U5.9-18 U5.9-19 U5.9-20 U5.9-21 U5.9-22 U5.9-23 U5.9-25 U5.9-27 U5.9-32 U5.9-33 U5.9-34 U5.9-35 U5.9-36 U5.9-37 U5.9-38 U5.9-39 U5.9-40 U5.9-41 U6.3 U6.5 U9.1 U9.2 U9.3 U9.4 U9.5 U9.8 U9.9 U9.14 U9.15 U9.16 U9.17 U9.20 U9.25 U9.26 U9.27 U9.28 U11.1 U11.2 U11.3 U11.4 U11.15 U14.5 U14.6 U14.7 U14.8 U14.9 U14.10 U14.11 U14.12 U14.13 U14.14 U14.15 U14.17 U14.18 U14.19 U14.20 U14.22 U14.23 U14.24 U17.9 U17.10
copper on no net: | length 251.5
  Top Layer w0.254: -23.556,79.147 -21.534,77.125 -21.009,77.125 ; -21.009,76.475 -19.797,76.475 -19.363,76.908 -18.753,76.908 -18.455,77.206 -18.23,77.206 -17.932,77.504 -17.932,78.997 -16.213,80.716 ; -18.455,75.506 -16.636,75.506 -16.521,75.391 ; -16.267,73.691 -14.493,73.691 -14.195,73.393 -12.645,73.393 -12.447,73.195 -12.447,73 -12.447,72.5 -13.023,71.924 -13.023,70.637 -13.321,70.339 -13.546,70.339 ; -16.013,75.391 -16.013,75.356 -15.998,75.341 -14.743,75.341 -14.395,74.993 -12.669,74.993 -11.177,73.5 -11.177,73.2 ; -15.603,67.114 -15.629,67.14 -15.629,68.639 -13.546,68.639 ; v2(-13.981,78.605) -12.492,78.605 -12.447,78.65 -12.447,80.081 -12.457,80.091 ; -12.581,65.603 -12.581,65.947 -13.023,66.389 -13.023,68.341 -13.321,68.639 -13.546,68.639 ; -11.177,78.45 -11.177,78.452 -11.078,78.551 -10.979,78.65 -10.105,78.65 -9.907,78.452 -9.907,78.45 ; -10.549,66.884 -10.403,66.738 -8.2,66.738 ; -5.45,65.788 -5.45,66.738 -5.25,66.738 -4.487,67.501 -2.399,67.501 -2.022,67.878 -1.207,67.063 -0.499,67.063 -0.497,67.061 ; v3(1.473,115.95) 1.473,118.034 ; 3.553,67.061 5.099,67.061 7.911,64.249 7.911,62.988 10.771,60.128 ; 3.554,107.211 3.554,118.493 2.743,119.304 2.769,119.329 5.486,119.329 5.512,119.355 ; 7.15,69.913 7.6,69.913 8.978,69.913 v2(10.451,68.44) ; 7.6,67.313 8.05,67.313 10.771,64.592 10.771,62.803 ; 7.6,67.963 2.501,67.963 -0.454,70.918 -2.765,70.918 -4.746,68.937 -13.248,68.937 -13.546,68.639 ; 8.73,96.886 11.719,96.886 13.313,98.48 13.313,104.854 13.313,125.549 9.525,129.337 9.5,129.362 9.474,129.362 ; 12.671,62.803 12.473,62.605 12.473,61.83 10.771,60.128 ; 13.25,69.263 13.268,69.245 14.689,69.245 v2(14.724,69.21) ; 13.25,70.563 13.54,70.853 v2(14.896,70.853) ; 10.771,60.128 10.771,59.853 10.771,60.128
  Signal Layer 1 w0.254: -2.337,118.034 -2.337,109.676 1.053,106.286 5.625,106.286 12.483,99.428 12.483,94.729 15.404,91.808 17.601,89.611 19.214,89.611
  Signal Layer 2 w0.254: -34.786,66.751 -33.491,68.046 -30.583,68.046 -26.633,71.996 13.753,71.996 v2(14.896,70.853)
  Bottom Layer w0.254: 1.11,94.346 2.036,94.346 2.507,94.818 ; 2.374,94.835 2.374,94.985 2.507,95.118 2.507,95.318 ; 2.507,96.118 2.374,96.251 2.374,96.451 1.959,96.866 ; 1.959,96.866 1.131,96.866 1.11,96.886 1.939,96.886 1.959,96.866
  other v1: -24.434,77.55 -23.334,77.55 -24.434,78.65 -23.334,78.65

## Polygon pours and split planes (outlines as drawn)
GND on Bottom Layer "Bottom_GND" (solid, shelved, pour order 2): -37.719,22.562 -37.719,-75.438 24.281,-75.438 24.281,22.562
GND on Top Layer "Top_GND" (solid, shelved, pour order 0): -37.719,22.562 -37.719,-75.438 24.281,-75.438 24.281,22.562
GND on Signal Layer 1 "Top_GND" (solid, shelved, pour order 4): -37.719,22.562 -37.719,-75.438 24.281,-75.438 24.281,22.562
GND on Signal Layer 2 "Top_GND" (solid, shelved, pour order 6): -37.719,22.562 -37.719,-75.438 24.281,-75.438 24.281,22.562
+5 on +5V (split plane): 23.771,151.153 23.771,-74.93 -37.211,-74.93 -37.211,151.153
+3.3 on +3.3V (split plane): 23.771,151.153 23.771,-74.93 -37.211,-74.93 -37.211,151.153

## Silkscreen, mask and mechanical layers (free items; w line width, h text height)
Top Overlay:
  rectangle: 7.008,107.314 16.025,116.204
Bottom Overlay:
  circle w0.1: c-11.277,49.514 r4.663
  circle w0.254: c-11.277,49.514 r5
  lines w0.127: -13.563,48.067 -12.801,48.829 -13.309,49.591 -11.785,48.829 -12.801,50.099 -11.277,49.337 -12.293,50.607 -10.769,49.845 -11.785,51.115 -10.261,50.353 -11.277,51.623 -10.515,51.115 -9.753,51.877
  lines w0.254: -13.69,47.559 -13.69,48.575 ; -13.563,48.067 -9.753,48.067 -9.753,51.877 ; -10.261,52.004 -9.245,52.004
  text "ZH Adjust Pot" at 15.186,139.113 h0.75
  text "TOP" at -6.883,138.582 h1
  text "Offset / Adjust" at -15.951,132.029 h1
  text "ZP" at 16.967,126.086 h0.75 r270
  text "ZH" at 22.962,125.857 h0.75 r270
  text "GND" at 19.964,125.501 h0.75 r270
  text "Plate P" at -6.756,122.885 h0.75 r270
  text "Plate N" at -7.036,110.084 h0.75 r270
  text "Beam Mod Out" at -18.415,77.521 h0.51 r270
  text "Synch Demod Out" at -14.707,61.265 h0.51 r270
  text "LM-002" at 5.757,51.825 h1.27
  text "Feedback" at 5.757,49.92 h1.27
  text "REV E" at 5.757,48.015 h1.27
  text "ZLS" at -10.261,46.466 h1.2
  text "ZLS Corp" at 5.757,46.11 h1.27
Mechanical 1:
  text "Top faces inward to center of meter" at 2.337,132.461 h0.51

## Dimensions
24.281,-75.441 to -37.722,-75.441 on Mechanical 13
-37.722,-75.441 to -37.722,151.663 on Mechanical 13
20.484,107.231 to 20.484,47.231 on Mechanical 13
20.484,47.231 to -33.516,47.231 on Mechanical 13
-33.516,47.231 to -37.722,-75.441 on Mechanical 13
-37.722,-75.441 to -33.516,47.231 on Mechanical 13
22.159,47.201 to 21.754,61.671 on Mechanical 13
-34.786,61.671 to -33.516,47.231 on Mechanical 13